# Altium PCB ADC_HUB.PcbDoc (part 1 of 3) (continued)
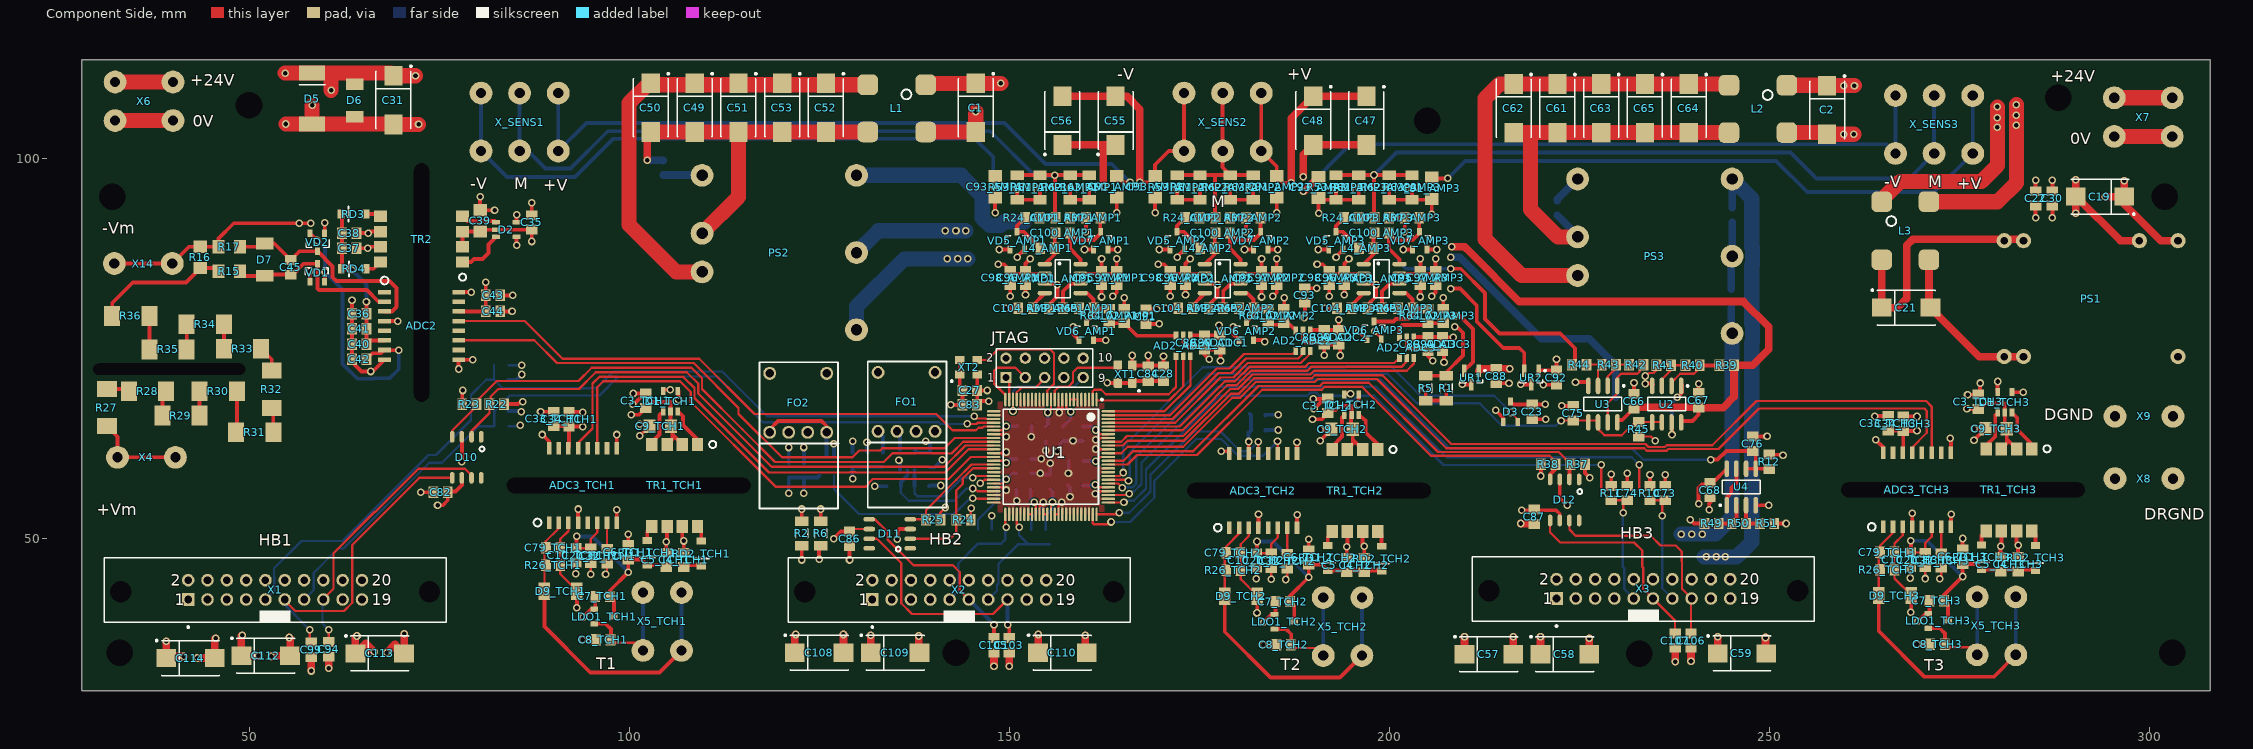
[diagram p0: Component Side view]
## Components (designator, comment, footprint, x,y, rotation, side; value= is the part's Value field where it differs from the comment) (continued)
C41 "ChipCap" "SMD CAP 0805" 64.5,77.6 r0 top value="10uF, 16V"
C42 "ChipCap" "SMD CAP 0805" 64.5,73.6 r0 top value="0.1uF, 50V"
C43 "ChipCap" "SMD CAP 0805" 82.1,82 r180 top value="0.1uF, 50V"
C44 "ChipCap" "SMD CAP 0805" 82.1,79.9 r180 top value="2.2uF, 10V"
C45 "ChipCap" "SMD CAP 0805" 55.5,85.7 r90 top value="100pF, 50V"
C47 "Tant Cap D-case" D 197,105 r270 top value="100uF, 25V, D-case"
C48 "Tant Cap D-case" D 190,105 r270 top value="100uF, 25V, D-case"
C49 "Tant Cap D-case" D 108.622,106.71 r270 top value="47uF, 35V, X-case"
C50 "Tant Cap D-case" D 102.864,106.71 r270 top value="47uF, 35V, X-case"
C51 "Tant Cap D-case" D 114.38,106.71 r270 top value="47uF, 35V, X-case"
C52 "Tant Cap D-case" D 125.896,106.71 r270 top value="47uF, 35V, X-case"
C53 "Tant Cap D-case" D 120.138,106.71 r270 top value="47uF, 35V, X-case"
C55 "Tant Cap D-case" D 164,105 r90 top value="100uF, 25V, D-case"
C56 "Tant Cap D-case" D 157,105 r90 top value="100uF, 25V, D-case"
C57 "Tant Cap D-case" D 213.1,34.8 r0 top value="100uF, 25V, D-case"
C58 "Tant Cap D-case" D 223.1,34.8 r0 top value="100uF, 25V, D-case"
C59 "Tant Cap D-case" D 246.4,34.9 r0 top value="100uF, 25V, D-case"
C61 "Tant Cap D-case" D 222.122,106.61 r270 top value="47uF, 35V, X-case"
C62 "Tant Cap D-case" D 216.364,106.61 r270 top value="47uF, 35V, X-case"
C63 "Tant Cap D-case" D 227.88,106.61 r270 top value="47uF, 35V, X-case"
C64 "Tant Cap D-case" D 239.396,106.61 r270 top value="47uF, 35V, X-case"
C65 "Tant Cap D-case" D 233.638,106.61 r270 top value="47uF, 35V, X-case"
C66 "ChipCap" "SMD CAP 0805" 232.2,68.1 r270 top value=0,1uF
C67 "ChipCap" "SMD CAP 0805" 240.7,68.2 r270 top value=0,1uF
C68 "ChipCap" "SMD CAP 0805" 242.2,56.4 r90 top value=0,1uF
C69 "ChipCap" "SMD CAP 0805" 83.2,66.8 r0 bottom value="0.01uF, 50V"
C70 "ChipCap" "SMD CAP 0805" 83.2,70.9 r0 bottom value="0.01uF, 50V"
C71 "ChipCap" "SMD CAP 0805" 152.9,50.2 r90 bottom value="0.01uF, 50V"
C72 "ChipCap" "SMD CAP 0805" 147.7,50.3 r90 bottom value="0.01uF, 50V"
C73 "ChipCap" "SMD CAP 0805" 236.3,56 r90 top value="0.01uF, 50V"
C74 "ChipCap" "SMD CAP 0805" 231.3,56 r90 top value="0.01uF, 50V"
C75 "ChipCap" "SMD CAP 0805" 224.2,66.5 r90 top value="0.01uF, 50V"
C76 "ChipCap" "SMD CAP 0805" 247.8,62.5 r90 top value="0.01uF, 50V"
C77 "ChipCap" "SMD CAP 0805" 123,59 r90 bottom value="0.1uF, 50V"
C78 "ChipCap" "SMD CAP 0805" 121,59 r90 bottom value="0.1uF, 50V"
C79_TCH1 "ChipCap" "SMD CAP 0805" 90,48.8 r180 top value="0.1uF, 50V" (schematic designator C79)
C79_TCH2 "ChipCap" "SMD CAP 0805" 179.5,48.13 r180 top value="0.1uF, 50V" (schematic designator C79)
C79_TCH3 "ChipCap" "SMD CAP 0805" 265.525,48.225 r180 top value="0.1uF, 50V" (schematic designator C79)
C80 "ChipCap" "SMD CAP 0805" 152,64.9 r0 bottom value="0.1uF, 50V"
C81 "ChipCap" "SMD CAP 0805" 154.8,63.8 r270 bottom value="0.1uF, 50V"
C82 "ChipCap" "SMD CAP 0805" 75.2,56.1 r180 top value="1uF, 25V"
C83 "ChipCap" "SMD CAP 0805" 144.8,67.6 r0 top value="0,01uF, 50V"
C84 "ChipCap" "SMD CAP 0805" 168.3,71.7 r90 top value="0.1uF, 50V"
C86 "ChipCap" "SMD CAP 0805" 129,50 r270 top value="1uF, 25V"
C87 "ChipCap" "SMD CAP 0805" 219.1,52.9 r270 top value="1uF, 25V"
C88 "ChipCap" "SMD CAP 0805" 214.1,71.4 r270 top value=0,47uF
C89_ADC1 "ChipCap" "SMD CAP 0805" 175.7,75.8 r270 top value=0,1uF (schematic designator C89)
C89_ADC2 "ChipCap" "SMD CAP 0805" 191.45,76.5 r270 top value=0,1uF (schematic designator C89)
C89_ADC3 "ChipCap" "SMD CAP 0805" 205.1,75.6 r270 top value=0,1uF (schematic designator C89)
C90_ADC1 "ChipCap" "SMD CAP 0805" 177.7,75.8 r270 top value=1uF (schematic designator C90)
C90_ADC2 "ChipCap" "SMD CAP 0805" 193.35,76.5 r270 top value=1uF (schematic designator C90)
C90_ADC3 "ChipCap" "SMD CAP 0805" 207,75.6 r270 top value=1uF (schematic designator C90)
C91 "ChipCap" "SMD CAP 0805" 168,79.2 r270 top value=0,47uF
C91_AMP1 "ChipCap" "SMD RES 1206" 164.15,96.3 r90 top value="10uF, 50V" (schematic designator C91)
C91_AMP2 "ChipCap" "SMD RES 1206" 185.2,96.3 r90 top value="10uF, 50V" (schematic designator C91)
C91_AMP3 "ChipCap" "SMD RES 1206" 205.6,96.1 r90 top value="10uF, 50V" (schematic designator C91)
C92 "ChipCap" "SMD CAP 0805" 222,71.2 r270 top value=0,47uF
C93 "ChipCap" "SMD CAP 0805" 188.9,82 r270 top value=0,47uF
C93_AMP1 "ChipCap" "SMD RES 1206" 148.15,96.3 r270 top value="10uF, 50V" (schematic designator C93)
C93_AMP2 "ChipCap" "SMD RES 1206" 169.2,96.3 r270 top value="10uF, 50V" (schematic designator C93)
C93_AMP3 "ChipCap" "SMD RES 1206" 190.7,96.2 r270 top value="10uF, 50V" (schematic designator C93)
C94 "ChipCap" "SMD CAP 0805" 60.5,35.45 r90 top value=0,01uF
C95_AMP1 "ChipCap" "SMD CAP 0805" 162.15,84.3 r90 top value=1uF (schematic designator C95)
C95_AMP2 "ChipCap" "SMD CAP 0805" 183.2,84.3 r90 top value=1uF (schematic designator C95)
C95_AMP3 "ChipCap" "SMD CAP 0805" 204.1,84.3 r90 top value=1uF (schematic designator C95)
C96_AMP1 "ChipCap" "SMD CAP 0805" 152.15,84.3 r270 top value=1uF (schematic designator C96)
C96_AMP2 "ChipCap" "SMD CAP 0805" 173.2,84.3 r270 top value=1uF (schematic designator C96)
C96_AMP3 "ChipCap" "SMD CAP 0805" 194.1,84.3 r270 top value=1uF (schematic designator C96)
C97_AMP1 "ChipCap" "SMD CAP 0805" 164.15,84.3 r90 top value=0,1uF (schematic designator C97)
C97_AMP2 "ChipCap" "SMD CAP 0805" 185.2,84.3 r90 top value=0,1uF (schematic designator C97)
C97_AMP3 "ChipCap" "SMD CAP 0805" 206.1,84.3 r90 top value=0,1uF (schematic designator C97)
C98_AMP1 "ChipCap" "SMD CAP 0805" 150.15,84.3 r270 top value=0,1uF (schematic designator C98)
C98_AMP2 "ChipCap" "SMD CAP 0805" 171.2,84.3 r270 top value=0,1uF (schematic designator C98)
C98_AMP3 "ChipCap" "SMD CAP 0805" 192.1,84.3 r270 top value=0,1uF (schematic designator C98)
C99 "ChipCap" "SMD CAP 0805" 58.2,35.4 r90 top value=0,01uF
C100_AMP1 "ChipCap" "SMD CAP 0805" 157.044,90.216 r180 top value=1nF (schematic designator C100)
C100_AMP2 "ChipCap" "SMD CAP 0805" 178.094,90.216 r180 top value=1nF (schematic designator C100)
C100_AMP3 "ChipCap" "SMD CAP 0805" 198.994,90.216 r180 top value=1nF (schematic designator C100)
C101_AMP1 "ChipCap" "SMD CAP 0805" 157.044,92.216 r180 top value=1nF (schematic designator C101)
C101_AMP2 "ChipCap" "SMD CAP 0805" 178.094,92.216 r180 top value=1nF (schematic designator C101)
C101_AMP3 "ChipCap" "SMD CAP 0805" 198.994,92.216 r180 top value=1nF (schematic designator C101)
C102_AMP1 "ChipCap" "SMD CAP 0805" 165.15,79.3 r270 top value=1nF (schematic designator C102)
C102_AMP2 "ChipCap" "SMD CAP 0805" 186.1,79.3 r270 top value=1nF (schematic designator C102)
C102_AMP3 "ChipCap" "SMD CAP 0805" 207.1,79.3 r270 top value=1nF (schematic designator C102)
C103 "ChipCap" "SMD CAP 0805" 150,36 r90 top value=0,01uF
C104_AMP1 "ChipCap" "SMD CAP 0805" 152.15,80.3 r0 top value=0,1nF (schematic designator C104)
C104_AMP2 "ChipCap" "SMD CAP 0805" 173.2,80.3 r0 top value=0,1nF (schematic designator C104)
C104_AMP3 "ChipCap" "SMD CAP 0805" 194.1,80.3 r0 top value=0,1nF (schematic designator C104)
C105 "ChipCap" "SMD CAP 0805" 148,36 r90 top value=0,01uF
C106 "ChipCap" "SMD CAP 0805" 239.7,36.6 r90 top value=0,01uF
C107 "ChipCap" "SMD CAP 0805" 237.6,36.6 r90 top value=0,01uF
C108 "Tant Cap D-case" D 125,35 r0 top value="100uF, 25V, D-case"
C109 "Tant Cap D-case" D 135,35 r0 top value="100uF, 25V, D-case"
C110 "Tant Cap D-case" D 157,35 r0 top value="100uF, 25V, D-case"
C112 "Tant Cap D-case" D 52.2,34.6 r0 top value="100uF, 25V, D-case"
C113 "Tant Cap D-case" D 67.2,34.9 r0 top value="100uF, 25V, D-case"
C114 "Tant Cap D-case" D 42.3,34.3 r0 top value="100uF, 25V, D-case"
D1_TCH1 "SN6501" SN6501 104.5,66.75 r90 top (schematic designator D1)
D1_TCH2 "SN6501" SN6501 194.1,66.28 r90 top (schematic designator D1)
D1_TCH3 "SN6501" SN6501 280.025,66.575 r90 top (schematic designator D1)
D2 "SN6501" SN6501 82.5,91.6 r0 top
D3 "TPS3809" TPS3809 215.954,68.065 r0 top
D4 "SN74LVC1G240" "TI-SOT23 SOT95P280X145-5N" 137.55,59 r90 bottom
D5 "SK32 SHOTTKY C case" "SMC DIODE" 58.3,107.9 r90 top
D6 "TVS 30V" "SMB TVS" 63.9,107.665 r90 top
D7 "TVS 5V" "SMB TVS" 52.1,86.7 r270 top
D8 "Inverted Schmitt Trigger" "TI-SOT23 SOT95P280X145-5N" 125.05,61 r270 bottom value=SN74AHC1G14
D9_TCH1 "TVS 1V" "SMB TVS" 91,43.1 r180 top (schematic designator D9)
D9_TCH2 "TVS 1V" "SMB TVS" 180.5,42.43 r180 top (schematic designator D9)
D9_TCH3 "TVS 1V" "SMB TVS" 266.525,42.525 r180 top (schematic designator D9)
D10 "IX4427N" IX4427 80.54,63.4 r180 top value=IX4427N/TR
D11 "IX4427N" IX4427 137,48.73 r90 top value=IX4427N/TR
D12 "IX4427N" IX4427 224.97,57.8 r180 top value=IX4427N/TR
FO1 "HFBR-1531" 1531/2531 136.5,68 r180 top
FO2 "650FO Link" 1531/2531 122.25,67.875 r180 top value=HFBR-25X1
JTAG "Header 5X2" HDR2X5 149.58,71.2 r0 top
L1 "Wurth EMI Choke" 744272251 139.02,109.72 r0 top value=744272251
L2 "Wurth EMI Choke" 744272251 252.316,109.64 r0 top value=744272251
L3 "Wurth EMI Choke" 744272251 264.78,94.32 r90 top value=744272251
L4_AMP1 "LQM21" "SMD IND 0805" 155.044,88.216 r180 top value="LQM21NN 1R0K" (schematic designator L4)
L4_AMP2 "LQM21" "SMD IND 0805" 176.094,88.216 r180 top value="LQM21NN 1R0K" (schematic designator L4)
L4_AMP3 "LQM21" "SMD IND 0805" 196.994,88.216 r180 top value="LQM21NN 1R0K" (schematic designator L4)
LDO1_TCH1 "LDO RS3007" RS3007 95.4,40.7 r270 top value=RS3007 (schematic designator LDO1)
LDO1_TCH2 "LDO RS3007" RS3007 184.9,40.03 r270 top value=RS3007 (schematic designator LDO1)
LDO1_TCH3 "LDO RS3007" RS3007 270.925,40.125 r270 top value=RS3007 (schematic designator LDO1)
PS1 "VRB_ZP-6WR3" "VRB_ZP-6WR3 Single" 280.9,73.96 r0 top
PS2 "URA_LD-20WR3 Supply" URA_LD-20WR3 109.6,90.18 r0 top value=URA_LD-20WR3
PS3 "VRB_LD-20WR3 PS" VRB_LD-20WR3 224.78,97.32 r0 top value=VRB_LD-20WR3
R1 "Rsize" R1206 207.5,69.8 r90 top value=0R
R2 "Rsize" R1206 122.7,50.7 r270 top value=0R
R3 "Rsize" "SMD RES 0805" 83.2,64.8 r0 bottom value=1K
R4 "Rsize" "SMD RES 0805" 133.4,60.4 r270 bottom value=120R
R5 "Rsize" R1206 204.8,69.8 r90 top value=0R
R6 "Rsize" R1206 125.2,50.7 r270 top value=0R
R7 "Rsize" "SMD RES 0805" 83.182,72.806 r0 bottom value=1K
R8 "Rsize" "SMD RES 0805" 155,50.2 r90 bottom value=1K
R9 "Rsize" "SMD RES 0805" 145.6,50.3 r90 bottom value=1K
R10 "Rsize" "SMD RES 0805" 234.3,56 r90 top value=1K
R11 "Rsize" "SMD RES 0805" 229.2,56 r90 top value=1K
R12 "Rsize" "SMD RES 0805" 250,60.1 r270 top value=1K
R13 "Rsize" "SMD RES 0805" 104.5,98.8 r90 bottom value=NC
R14 "Rsize" "SMD RES 0805" 245.1,92.6 r90 bottom value=NC
R15 "Rsize" "SMD RES 1206" 47.4,85.2 r0 top value=120R
R16 "Rsize" "SMD RES 1206" 43.6,87 r270 top value=120R
R17 "Rsize" "SMD RES 1206" 47.4,88.4 r0 top value=120R
R18 "Rsize" "SMD RES 0805" 245,81.9 r270 bottom value=NC
R19 "Rsize" "SMD RES 0805" 222.1,93.5 r270 bottom value=NC
R20 "Rsize" "SMD RES 0805" 134.8,56.9 r180 bottom value=10K
R21 "Rsize" "SMD RES 0805" 138.5,56.9 r0 bottom value=10K
R22 "Rsize" "SMD RES 0805" 82.6,67.7 r0 top value=10K
R23 "Rsize" "SMD RES 0805" 79,67.7 r180 top value=10K
R24 "Rsize" "SMD RES 0805" 144,52.5 r0 top value=10K
R24_AMP1 "Rsize" "SMD RES 0805" 153.044,92.216 r0 top value=200R (schematic designator R24)
R24_AMP2 "Rsize" "SMD RES 0805" 174.094,92.216 r0 top value=200R (schematic designator R24)
R24_AMP3 "Rsize" "SMD RES 0805" 194.994,92.216 r0 top value=200R (schematic designator R24)
R25 "Rsize" "SMD RES 0805" 140,52.5 r0 top value=10K
R26_TCH1 "Rsize" "SMD RES 0805" 90,46.5 r0 top value="5R, 0.1%" (schematic designator R26)
R26_TCH2 "Rsize" "SMD RES 0805" 179.5,45.83 r0 top value="5R, 0.1%" (schematic designator R26)
R26_TCH3 "Rsize" "SMD RES 0805" 265.525,45.925 r0 top value="5R, 0.1%" (schematic designator R26)
R27 "MMB0207" MMB0207 31.3,64.8 r90 top value=100k
R28 "MMB0207" MMB0207 34.2,69.4 r0 top value=100k
R29 "MMB0207" MMB0207 38.6,66.2 r0 top value=100k
R30 "MMB0207" MMB0207 43.5,69.4 r0 top value=100k
R31 "MMB0207" MMB0207 48.3,64 r0 top value=100k
R32 "MMB0207" MMB0207 53,67.2 r90 top value=100k
R33 "MMB0207" MMB0207 51.6,75 r180 top value=100k
R34 "MMB0207" MMB0207 46.7,78.2 r180 top value=100k
R35 "MMB0207" MMB0207 41.8,74.9 r180 top value=100k
R36 "MMB0207" MMB0207 36.9,79.3 r180 top value=100k
R37 "Rsize" "SMD RES 0805" 224.8,59.8 r0 top value=10K
R37_AMP1 "Rsize" "SMD RES 0805" 161.044,92.216 r180 top value=200R (schematic designator R37)
R37_AMP2 "Rsize" "SMD RES 0805" 182.094,92.216 r180 top value=200R (schematic designator R37)
R37_AMP3 "Rsize" "SMD RES 0805" 202.994,92.216 r180 top value=200R (schematic designator R37)
R38 "Rsize" "SMD RES 0805" 220.9,59.8 r180 top value=10K
R38_AMP1 "Rsize" "SMD RES 0805" 156.15,80.3 r180 top value="16.9k, 1%" (schematic designator R38)
R38_AMP2 "Rsize" "SMD RES 0805" 177.2,80.3 r180 top value="16.9k, 1%" (schematic designator R38)
R38_AMP3 "Rsize" "SMD RES 0805" 198.1,80.3 r180 top value="16.9k, 1%" (schematic designator R38)
R39 "Rsize" "SMD RES 0805" 244.4,72.8 r180 top value="48k7, 1%"
R40 "Rsize" "SMD RES 0805" 239.9,72.8 r180 top value="37k4, 1%"
R41 "Rsize" "SMD RES 0805" 236.1,72.8 r180 top value="604k, 1%"
R42 "Rsize" "SMD RES 0805" 232.5,72.9 r180 top value="47k5, 1%"
R43 "Rsize" "SMD RES 0805" 228.9,72.9 r180 top value="28k4, 1%"
R44 "Rsize" "SMD RES 0805" 225,72.9 r180 top value="681k, 1%"
R45 "Rsize" "SMD RES 0805" 232.8,64.4 r90 top value=1K
R49 "Rsize" "SMD RES 0805" 242.4,52 r0 top value="48k7, 1%"
R50 "Rsize" "SMD RES 0805" 246,52 r0 top value="37k4, 1%"
R51 "Rsize" "SMD RES 0805" 249.7,52 r0 top value="604k, 1%"
R53_AMP1 "Rsize" R1206 151.044,96.216 r270 top value=RL (schematic designator R53)
R53_AMP2 "Rsize" R1206 172.094,96.216 r270 top value=RL (schematic designator R53)
R53_AMP3 "Rsize" R1206 192.994,96.216 r270 top value=RL (schematic designator R53)
R61_AMP1 "Rsize" R1206 154.044,96.216 r270 top value=RL (schematic designator R61)
R61_AMP2 "Rsize" R1206 175.094,96.216 r270 top value=RL (schematic designator R61)
R61_AMP3 "Rsize" R1206 195.994,96.216 r270 top value=RL (schematic designator R61)
R62_AMP1 "Rsize" R1206 158.044,96.216 r270 top value=RL (schematic designator R62)
R62_AMP2 "Rsize" R1206 179.094,96.216 r270 top value=RL (schematic designator R62)
R62_AMP3 "Rsize" R1206 199.994,96.216 r270 top value=RL (schematic designator R62)
R63_AMP1 "Rsize" R1206 160.544,96.216 r270 top value=RL (schematic designator R63)
R63_AMP2 "Rsize" R1206 182.094,96.216 r270 top value=RL (schematic designator R63)
R63_AMP3 "Rsize" R1206 202.994,96.216 r270 top value=RL (schematic designator R63)
R64_AMP1 "Rsize" "SMD RES 0805" 163.15,79.3 r90 top value=50R (schematic designator R64)
R64_AMP2 "Rsize" "SMD RES 0805" 184.1,79.3 r90 top value=50R (schematic designator R64)
R64_AMP3 "Rsize" "SMD RES 0805" 205.1,79.3 r90 top value=50R (schematic designator R64)
R65_AMP1 "Rsize" "SMD RES 0805" 160.15,80.3 r180 top value="25.5k, 1%" (schematic designator R65)
R65_AMP2 "Rsize" "SMD RES 0805" 181.2,80.3 r180 top value="25.5k, 1%" (schematic designator R65)
R65_AMP3 "Rsize" "SMD RES 0805" 202.1,80.3 r180 top value="25.5k, 1%" (schematic designator R65)
RD1_TCH1 "MBR05LT" MBR05LT 102.4,46.5 r90 top (schematic designator RD1)
RD1_TCH2 "MBR05LT" MBR05LT 191.9,45.83 r90 top (schematic designator RD1)
RD1_TCH3 "MBR05LT" MBR05LT 277.925,45.925 r90 top (schematic designator RD1)
RD2_TCH1 "MBR05LT" MBR05LT 109.5,46.4 r90 top (schematic designator RD2)
RD2_TCH2 "MBR05LT" MBR05LT 199,45.73 r90 top (schematic designator RD2)
RD2_TCH3 "MBR05LT" MBR05LT 285.025,45.825 r90 top (schematic designator RD2)
RD3 "MBR05LT" MBR05LT 62.1,92.7 r0 top
RD4 "MBR05LT" MBR05LT 62.13,85.5 r0 top
TR1_TCH1 "DA2304" DA2304 109,62.4 r270 top (schematic designator TR1)
TR1_TCH2 "DA2304" DA2304 198.5,61.73 r270 top (schematic designator TR1)
TR1_TCH3 "DA2304" DA2304 284.525,61.825 r270 top (schematic designator TR1)
TR2 "DA2304" DA2304 78.1,86.4 r180 top
U1 "EPM570T100I5N" TQFP100_N 155.5,60.75 r270 top
U2 "MC33161D" 751-05_N 236.5,67.7 r270 top
U3 "MC33161D" 751-05_N 228.1,67.7 r270 top
U4 "MC33161D" 751-05_N 246.3,56.8 r90 top
UR1 "Reference voltage regulator" SOT95P237X120-3N 210.8,71.2 r270 top value=REF3125
UR2 "Reference voltage regulator" SOT95P237X120-3N 218.7,71.2 r270 top value=REF3112
VD1 "BAT54SW" BAT54-3pin 59,85 r270 top
VD2 "BAT54SW" BAT54-3pin 59,89 r90 top
VD5_AMP1 "BAT54SW" BAT54-3pin 151.044,89.216 r270 top (schematic designator VD5)
VD5_AMP2 "BAT54SW" BAT54-3pin 172.094,89.216 r270 top (schematic designator VD5)
VD5_AMP3 "BAT54SW" BAT54-3pin 192.994,89.216 r270 top (schematic designator VD5)
VD6_AMP1 "BAT54SW" BAT54-3pin 160.15,77.3 r270 top (schematic designator VD6)
VD6_AMP2 "BAT54SW" BAT54-3pin 181.2,77.3 r270 top (schematic designator VD6)
VD6_AMP3 "BAT54SW" BAT54-3pin 198,77.4 r270 top (schematic designator VD6)
VD7_AMP1 "BAT54SW" BAT54-3pin 162.044,89.216 r270 top (schematic designator VD7)
VD7_AMP2 "BAT54SW" BAT54-3pin 183.094,89.216 r270 top (schematic designator VD7)
VD7_AMP3 "BAT54SW" BAT54-3pin 203.994,89.216 r270 top (schematic designator VD7)
X1 "IDC-20 Vertical Conn" "IDC2.54-V20 NOSILK" 53.43,43.27 r0 top value=IDC-20
X2 "IDC-20 Vertical Conn" "IDC2.54-V20 NOSILK" 143.43,43.27 r0 top value=IDC-20
X3 "IDC-20 Vertical Conn" "IDC2.54-V20 NOSILK" 233.43,43.4 r0 top value=IDC-20
X4 "DG142R-5.08-01P" DG142R-5.08-01P 32.7,60.7 r270 top
X5_TCH1 "DG142R-5.08-02P" DG142R-5.08-02P 101.82,35.3 r0 top (schematic designator X5)
X5_TCH2 "DG142R-5.08-02P" DG142R-5.08-02P 191.32,34.63 r0 top (schematic designator X5)
X5_TCH3 "DG142R-5.08-02P" DG142R-5.08-02P 277.345,34.725 r0 top (schematic designator X5)
X6 "DG142R-5.08-02P" DG142R-5.08-02P 32.38,110.08 r270 top
X7 "DG142R-5.08-02P" DG142R-5.08-02P 303,102.92 r90 top
X8 "DG142R-5.08-01P" DG142R-5.08-01P 303.1,57.9 r90 top
X9 "DG142R-5.08-01P" DG142R-5.08-01P 303.1,66.1 r90 top
X14 "DG142R-5.08-01P" DG142R-5.08-01P 32.28,86.2 r270 top
X_SENS1 "DG142R-5.08-03P" DG142R-5.08-03P 90.68,108.62 r180 top
X_SENS2 "DG142R-5.08-03P" DG142R-5.08-03P 183.16,108.62 r180 top
X_SENS3 "DG142R-5.08-03P" DG142R-5.08-03P 276.76,108.3 r180 top
XT1 "Crystal generator" "OSC3225 YXC" 166.2,70.5 r90 top
XT2 "Crystal generator" "OSC3225 YXC" 143.5,71.6 r0 top

## Footprints (in the part's own frame and the unit in brackets; to place one, negate y for a bottom-side part, rotate by r counter-clockwise, add the part's x,y. Pads: shape width x height; smd on the part's side, far side on the other; paste and mask are expansions set on the pad)
751-05_N [mm] "SOIC, 8-Leads, Body 4.9x3.9mm, Pitch 1.27mm, IPC Medium Density"
  oval 2.2x0.6 smd: 1(-2.4,1.905) 2(-2.4,0.635) 3(-2.4,-0.635) 4(-2.4,-1.905) 5(2.4,-1.905) 6(2.4,-0.635) 7(2.4,0.635) 8(2.4,1.905)
  silkscreen extent -2.52,-2.5 0.9,2.88, body extent -1.95,-2.45 1.95,2.45, height 1.75
1531/2531 [mm]
  round 1.7 hole 1.1: 1(3.75,3.875) 2(1.25,3.875) 3(-1.25,3.875) 4(-3.75,3.875) 5(3.75,-3.875) 6(-3.75,-3.875)
  silkscreen extent -5.28,-5.33 5.12,13.9, body extent -5.37,-4.85 5.13,13.9, height 22
744272251 [mm] "EMI choke Wurth 744272251"
  rrect50% 2.7x2.7 smd: 1(0,0) 2(-7.62,0) 3(-7.62,-6.22) 4(0,-6.22)
  silkscreen extent -3.18,-1.91 -1.9,-0.63, body extent -8.8,-7.5 1.2,1.2, height 6.5
ADS7886 [mm] "ADS7886 SOT"
  rect 0.6x1.05 smd: 1(0,0) 2(0.95,0) 3(1.9,0) 4(1.9,2.7) 5(0.95,2.7) 6(0,2.7)
  silkscreen extent -0.5,1.1 -0.1,1.5, body extent -0.5,0.53 2.55,2.27, height 1.45
AMC1304M25 [mm] "HV PADS FOR AMC"
  rect 1.65x0.6 smd: 1(0,0) 2(0,-1.27) 3(0,-2.54) 4(0,-3.81) 5(0,-5.08) 6(0,-6.35) 7(0,-7.62) 8(0,-8.89) 9(9.75,-8.89) 10(9.75,-7.62) 11(9.75,-6.35) 12(9.75,-5.08) 13(9.75,-3.81) 14(9.75,-2.54) 15(9.75,-1.27) 16(9.75,0)
  rrect50% 0x0 hole 2 slot 20 at 90 deg unplated: 17(4.875,-4.445)
  silkscreen extent -0.51,1.02 0.51,2.03, body extent -0.2,-9.7 9.7,0.8, height 2.65
BAT54-3pin [mm]
  rect 1x0.65 smd: 1(1.175,-0.95) 2(1.175,0.95) 3(-1.175,0)
  silkscreen extent -0.66,-1.57 0.3,1.45, body extent -1.2,-1.5 1.5,1.4, height 0.5
D [mm] "Capacitor, SM Tantalum; Body 7.3 x 4.3 mm (LxW typ)"
  rect 2.6x2.4 smd: 1(-3.2,0) 2(3.2,0)
  silkscreen extent -4.57,-2.3 3.8,2.43, body extent -3.8,-2.3 3.8,2.3, height 3.15
DA2304 [mm]
  rect 1.7x1.5 smd: 1(0,0) 2(0,-2) 3(0,-4) 4(0,-6) 5(10.8,-6) 6(10.8,-4) 7(10.8,-2) 8(10.8,0)
  rect 0x0 hole 2 slot 20 at 90 deg unplated: 9(5.4,-3)
  silkscreen extent -0.47,1.53 0.47,2.47, body extent -0.5,-8.2 11.5,1.8, height 6
DG142R-5.08-01P [mm] "DG142R-5.08-01P"
  round 3 hole 1.35: 1(0,7.62) 1(0,0)
  body extent -2.62,-4.75 5,9.35, height 13.7
DG142R-5.08-02P [mm] "DG142R-5.08-02P"
  round 3 hole 1.35: 1(0,0) 1(0,7.62) 2(5.08,0) 2(5.08,7.62)
  body extent -2.55,-4.7 10.15,9.4, height 13.4
DG142R-5.08-03P [mm] "DG142R-5.08-03P"
  round 3 hole 1.35: 1(0,7.62) 1(0,0) 2(5.08,7.62) 2(5.08,0) 3(10.16,7.62) 3(10.16,0)
  body extent -2.39,-4.7 15.39,9.4, height 13.4
HDR2X5 [mm] "Connector; Header; 5x2 Position"
  rect 1.5x1.5 hole 0.9: 1(0,0)
  round 1.5 hole 0.9: 2(0,2.54) 3(2.54,0) 4(2.54,2.54) 5(5.08,0) 6(5.08,2.54) 7(7.62,0) 8(7.62,2.54) 9(10.16,0) 10(10.16,2.54)
  silkscreen extent -1.27,-1.27 11.43,3.81, body extent -1.27,-1.27 11.4,3.81, height 10
"IDC2.54-V20 NOSILK" [mm] "Connector; IDC, Thru-Hole; 20 Position; Vertical; Pitch 2.54 mm; Body 45.00 x 8.5 x 25.75 mm (LxWxH), Locking levers"
  rect 1.65x1.65 hole 1: 1(-11.43,-1.27)
  round 1.65 hole 1: 2(-11.43,1.27) 3(-8.89,-1.27) 4(-8.89,1.27) 5(-6.35,-1.27) 6(-6.35,1.27) 7(-3.81,-1.27) 8(-3.81,1.27) 9(-1.27,-1.27) 10(-1.27,1.27) 11(1.27,-1.27) 12(1.27,1.27) 13(3.81,-1.27) 14(3.81,1.27) 15(6.35,-1.27) 16(6.35,1.27) 17(8.89,-1.27) 18(8.89,1.27) 19(11.43,-1.27) 20(11.43,1.27)
  round 2.5 hole 2.8 unplated: MH1(-20.32,-0.25) MH2(20.32,-0.25)
  silkscreen extent -22.5,-5.02 22.5,4.25, body extent -22.5,-4.25 22.5,4.25, height 25.75
IX4427 [mm] "IX4427 SOIC8"
  oval 0.6x1.55 smd: 1(0,0) 2(1.27,0) 3(2.54,0) 4(3.81,0) 5(3.81,5.4) 6(2.54,5.4) 7(1.27,5.4) 8(0,5.4)
  silkscreen extent -0.42,1.28 0.22,1.92, body extent -0.6,0.7 4.4,4.7, height 1.4
MBR05LT [mm] "MBR05LT"
  rect 0.91x1.22 smd: 1(0,0) 2(3.27,0)
  silkscreen extent 1,-1 1,1, body extent 0,-0.9 3.24,0.9, height 1.35
MMB0207 [mm] "Melf res"
  rect 2.1x2.6 smd: 1(0,0) 2(4.9,0)
  body extent 0,-1 5,1, height 2.2
"OSC3225 YXC" [mm]
  rrect20% 1.3x1.1 smd: 1(0,0) 2(2.3,0) 3(2.3,1.9) 4(0,1.9)
  silkscreen extent -1.17,-1 -0.93,-0.75
R1206 [mm] "Chip Resistor, 2-Leads, Body 3,1x1,6mm, IPC Medium Density"
  rect 1.25x1.75 smd: 1(-1.625,0) 2(1.625,0)
  silkscreen extent -0.6,-0.77 0.6,0.77, body extent -1.6,-0.85 1.6,0.85, height 0.55
R-8_L [mm] "8-Pin Narrow Body Small Outline Integrated Circuit 1.27 mm Pitch, IPC High Density"
  oval 1.9x0.6 smd: 1(-2.35,1.905) 2(-2.35,0.635) 3(-2.35,-0.635) 4(-2.35,-1.905) 5(2.35,-1.905) 6(2.35,-0.635) 7(2.35,0.635) 8(2.35,1.905)
  silkscreen extent -1,-2.5 1,2.5, body extent -1.95,-2.45 1.95,2.45, height 1.75
RS3007 [mm] "RS3007 LDO SOT23-3"
  rect 0.7x1 smd: 1(0,0) 2(1.9,0) 3(0.95,2.6)
  body extent -0.52,0.45 2.48,2.15, height 1.3
"SMB TVS" [mm]
  rect 1.52x2.3 smd: 1(-2.135,0) 2(2.135,0)
  body extent -2.7,-1.8 2.7,1.8, height 2.3
"SMC DIODE" [mm]
  rect 2x3.4 smd: A(-3.35,0) K(3.35,0)
  silkscreen extent 1.8,-1.7 1.8,1.7, body extent -3.5,-3.1 3.6,3.1, height 2.63
"SMD CAP 0805" [mm] "Chip Capacitor; Body 2.0 x 1.2 mm (LxW typ)"
  rect 1.3x1.5 smd: 1(-0.95,0) 2(0.95,0)
  body extent -1.2,-0.65 1.2,0.65, height 0.9
"SMD CAP 1206" [mm] "Chip Capacitor; Body 3.2 x 1.6 mm (LxW typ)"
  rect 1.6x1.8 smd: 1(-1.4,0) 2(1.4,0)
  body extent -1.55,-0.8 1.55,0.8, height 0.55
"SMD IND 0805" [mm] "Chip Capacitor; Body 2.0 x 1.2 mm (LxW typ)"
  rect 1.3x1.5 smd: 1(-0.95,0) 2(0.95,0)
  body extent -1,-0.76 1,0.75, height 1.7
"SMD RES 0805" [mm] "Chip Capacitor; Body 2.0 x 1.2 mm (LxW typ)"
  rect 1.3x1.5 smd: 1(-0.95,0) 2(0.95,0)
  body extent -1,-0.6 1,0.7, height 0.5
"SMD RES 1206" [mm] "Chip Capacitor; Body 3.2 x 1.6 mm (LxW typ)"
  rect 1.6x1.8 smd: 1(-1.4,0) 2(1.4,0)
  body extent -1.55,-0.8 1.55,0.8, height 0.55
SN6501 [mm]
  rect 1.05x0.6 smd: 1(0,0) 2(0,-0.95) 3(0,-1.9) 4(2.7,-1.9) 5(2.7,0)
  body extent 0.43,-2.5 2.17,0.6, height 1.45
SOT95P237X120-3N [mm] "SOT23, 3-Leads, Body 3,0x2,6mm (max), Pitch 0,95mm, IPC Medium Density"
  rect 1.6x0.6 smd: 1(-0.9,0.95) 2(-0.9,-0.95) 3(0.9,0)
  silkscreen extent -1.02,-1.5 0.7,1.93, body extent -0.7,-1.52 0.7,1.52, height 1.2
"TI-SOT23 SOT95P280X145-5N" [mm] "SOT23, 5-Leads, Body 3,0x3,0mm (max), Pitch 0,95mm, IPC Medium Density"
  rect 1.1x0.55 smd: 1(0,0) 2(0,-0.95) 3(0,-1.9) 4(2.7,-1.9) 5(2.7,0)
  body extent 0.48,-2.47 2.23,0.58, height 1.45
TPS3809 [mm] "TPS3809"
  rect 0.6x1.05 smd: 1(-0.95,-2.7) 2(0.95,-2.7) 3(0,0)
  body extent -1.5,-2.15 1.5,-0.45, height 1.45
TQFP100_N [mm] "Thin QFP, 100-Leads, Body 14x14mm, Pitch 0.5mm, IPC Medium Density"
  oval 1.8x0.3 smd: 1(-7.55,6) 2(-7.55,5.5) 3(-7.55,5) 4(-7.55,4.5) 5(-7.55,4) 6(-7.55,3.5) 7(-7.55,3) 8(-7.55,2.5) 9(-7.55,2) 10(-7.55,1.5) 11(-7.55,1) 12(-7.55,0.5) 13(-7.55,0) 14(-7.55,-0.5) 15(-7.55,-1) 16(-7.55,-1.5) 17(-7.55,-2) 18(-7.55,-2.5) 19(-7.55,-3) 20(-7.55,-3.5) 21(-7.55,-4) 22(-7.55,-4.5) 23(-7.55,-5) 24(-7.55,-5.5) 25(-7.55,-6) 51(7.55,-6) 52(7.55,-5.5) 53(7.55,-5) 54(7.55,-4.5) 55(7.55,-4) 56(7.55,-3.5) 57(7.55,-3) 58(7.55,-2.5) 59(7.55,-2) 60(7.55,-1.5) 61(7.55,-1) 62(7.55,-0.5) 63(7.55,0) 64(7.55,0.5) 65(7.55,1) 66(7.55,1.5) 67(7.55,2) 68(7.55,2.5) 69(7.55,3) 70(7.55,3.5) 71(7.55,4) 72(7.55,4.5) 73(7.55,5) 74(7.55,5.5) 75(7.55,6)
  oval 0.3x1.8 smd: 26(-6,-7.55) 27(-5.5,-7.55) 28(-5,-7.55) 29(-4.5,-7.55) 30(-4,-7.55) 31(-3.5,-7.55) 32(-3,-7.55) 33(-2.5,-7.55) 34(-2,-7.55) 35(-1.5,-7.55) 36(-1,-7.55) 37(-0.5,-7.55) 38(0,-7.55) 39(0.5,-7.55) 40(1,-7.55) 41(1.5,-7.55) 42(2,-7.55) 43(2.5,-7.55) 44(3,-7.55) 45(3.5,-7.55) 46(4,-7.55) 47(4.5,-7.55) 48(5,-7.55) 49(5.5,-7.55) 50(6,-7.55) 76(6,7.55) 77(5.5,7.55) 78(5,7.55) 79(4.5,7.55) 80(4,7.55) 81(3.5,7.55) 82(3,7.55) 83(2.5,7.55) 84(2,7.55) 85(1.5,7.55) 86(1,7.55) 87(0.5,7.55) 88(0,7.55) 89(-0.5,7.55) 90(-1,7.55) 91(-1.5,7.55) 92(-2,7.55) 93(-2.5,7.55) 94(-3,7.55) 95(-3.5,7.55) 96(-4,7.55) 97(-4.5,7.55) 98(-5,7.55) 99(-5.5,7.55) 100(-6,7.55)
  silkscreen extent -7.67,-6.25 6.25,6.83, body extent -7,-7 7,7, height 1.2
URA_LD-20WR3 [mm] "URA_LD-20WR3 Dual Power Supply"
  round 3 hole 1.5: 1(0,0) 2(0,-5.08) 3(20.32,-12.7) 4(20.32,-2.54) 5(20.32,7.62) 6(0,7.62)
  body extent -15.24,-15.24 35.56,10.16, height 12
VRB_LD-20WR3 [mm] "VRB_LD-20WR3 Single Power Supply"
  round 3 hole 1.5: 1(0,0) 2(0,-7.62) 3(0,-12.7) 4(20.32,-20.32) 5(20.32,-10.16) 6(20.32,0)
  body extent -15.24,-22.86 35.56,2.54, height 12
"VRB_ZP-6WR3 Single" [mm] "VRA_ZP-6WR3 PowerSupply"
  round 2 hole 1: 2(0,0) 3(2.54,0) 11(22.86,0) 14(22.86,15.24) 16(17.78,15.24) 22(2.54,15.24) 23(0,15.24)
  body extent -5.84,-2.38 26.16,17.62, height 10.8